# Altium PCB EEG_Master_Rev2.PcbDoc
Units mm, origin at the board's own origin, x right, y up, seen from the top; angles counter-clockwise.
Board outline 57 x 37 mm, 2 copper layers (Top Layer, Bottom Layer); 42 components, 56 nets, 197 pads, 39 vias.
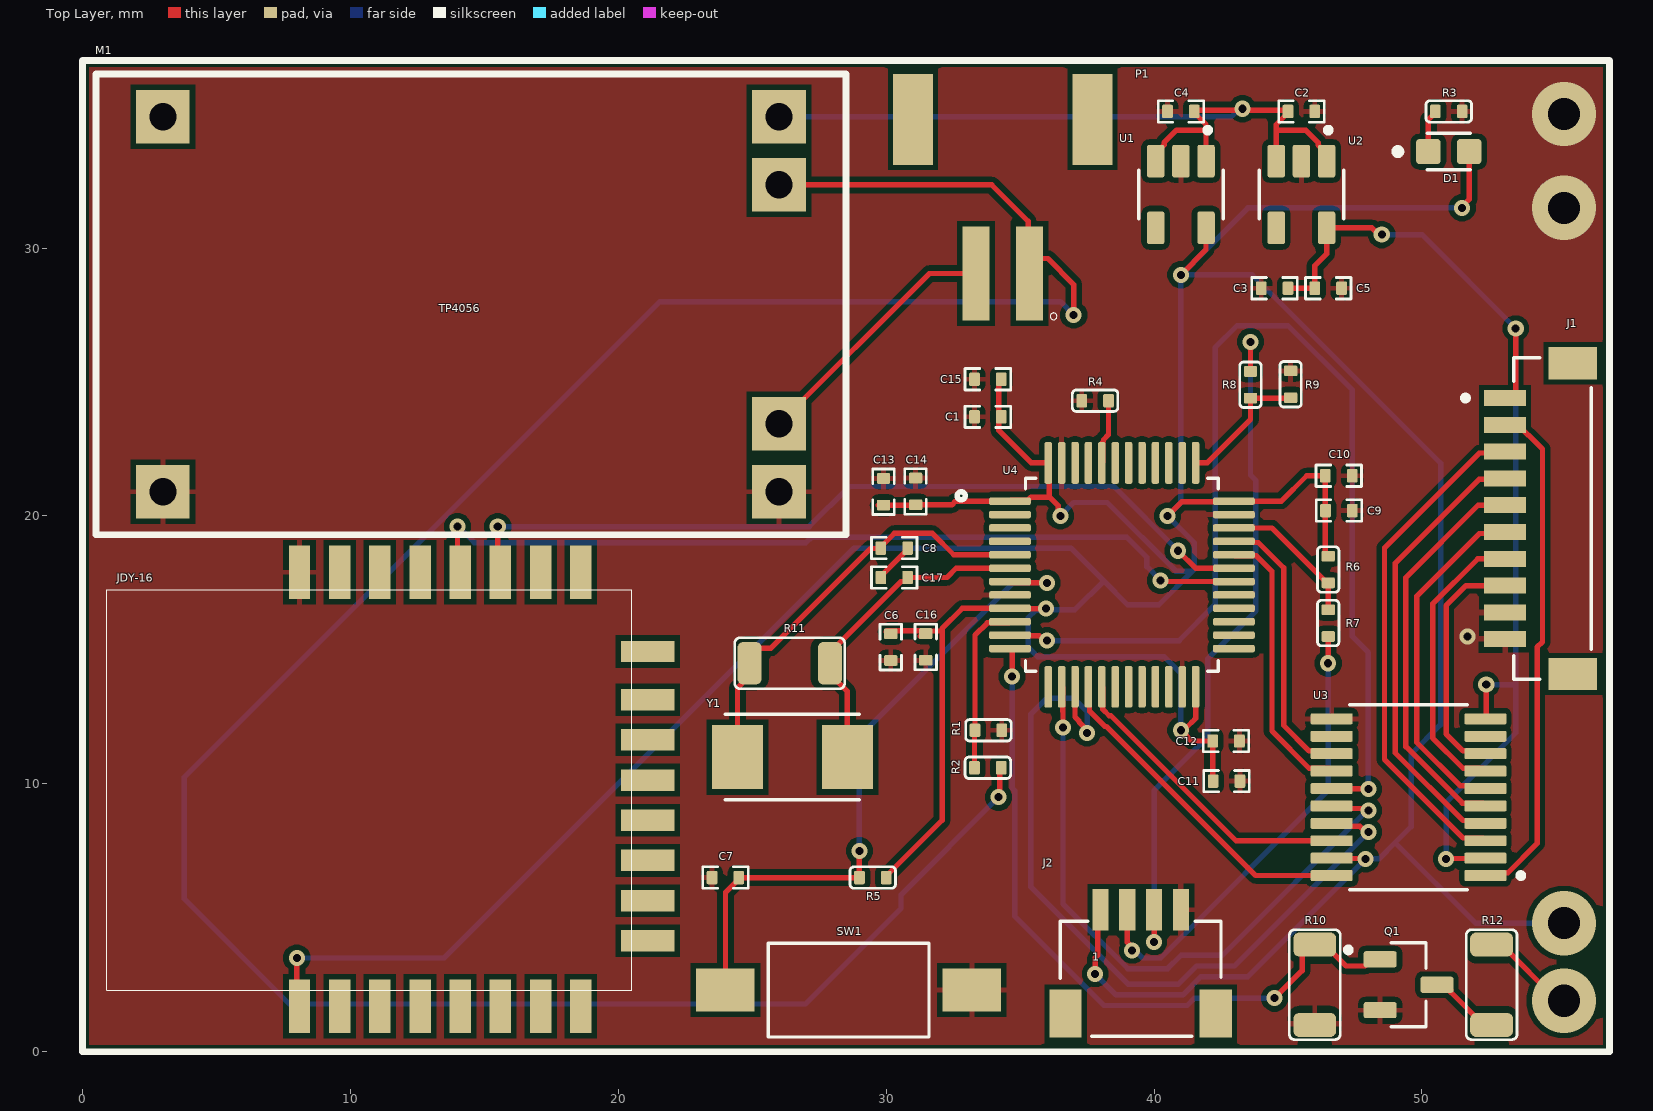
[diagram p0: Top Layer view]
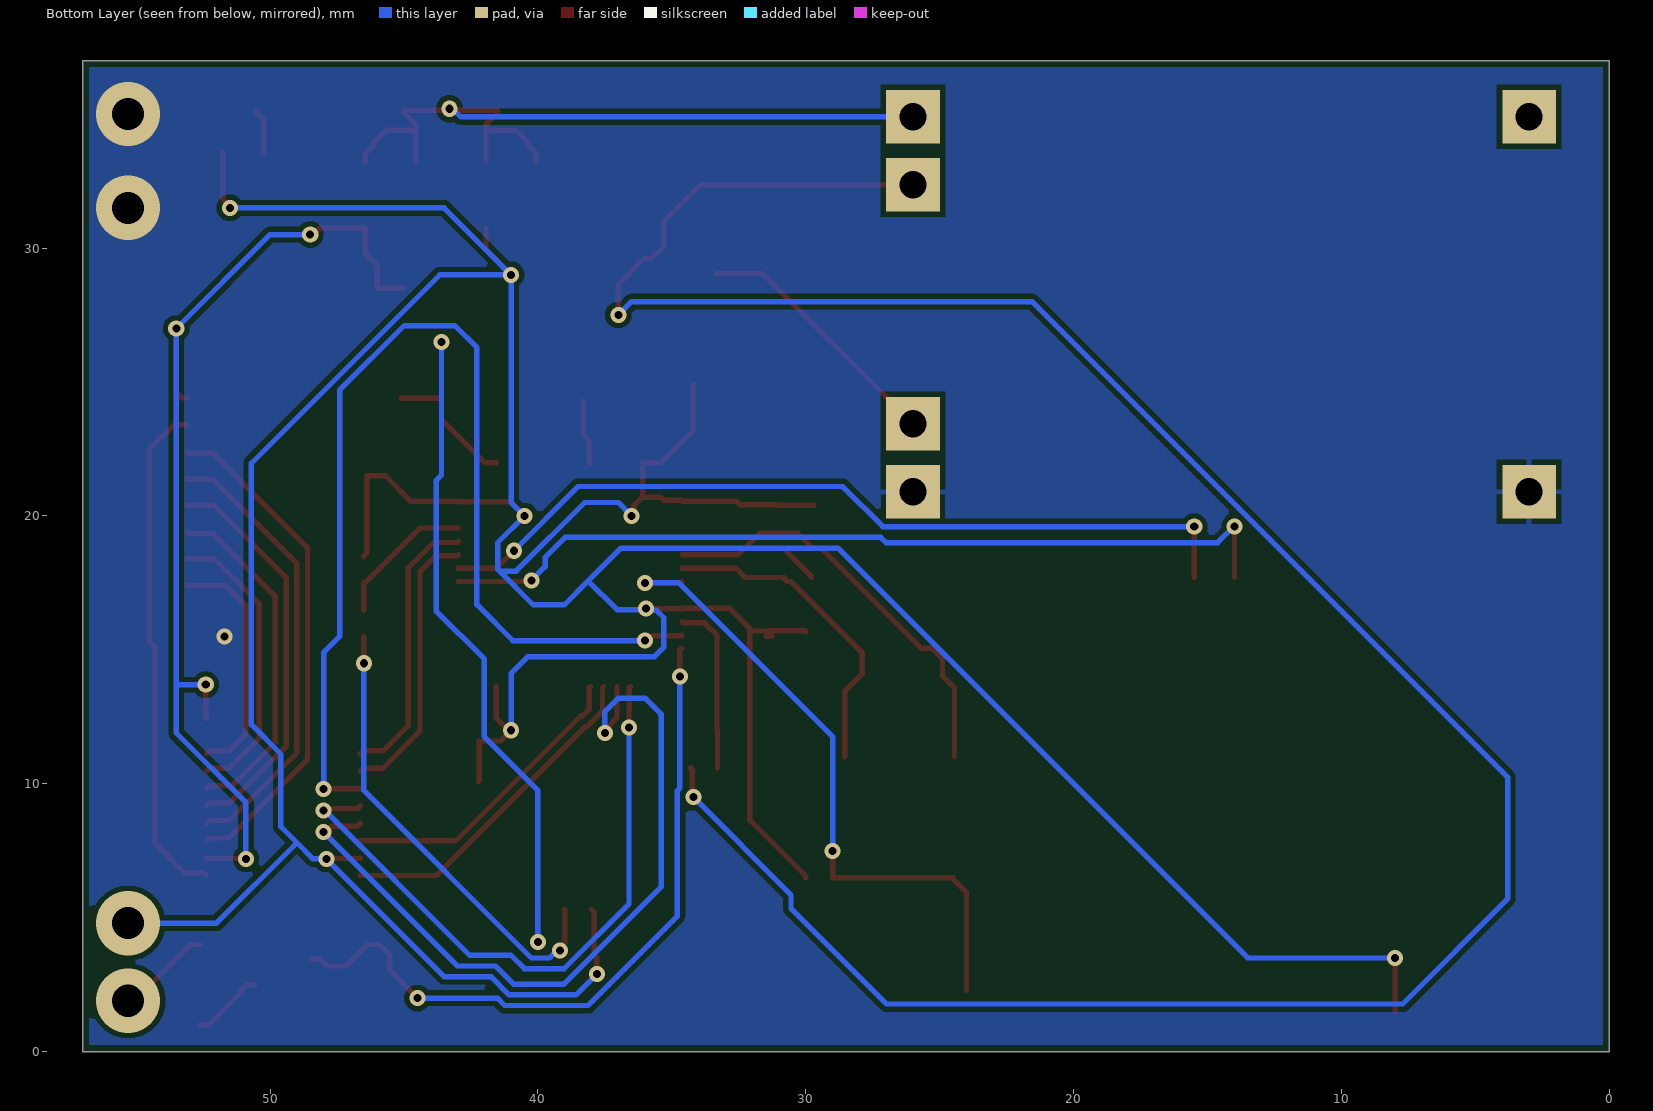
[diagram p1: Bottom Layer view, seen from below]
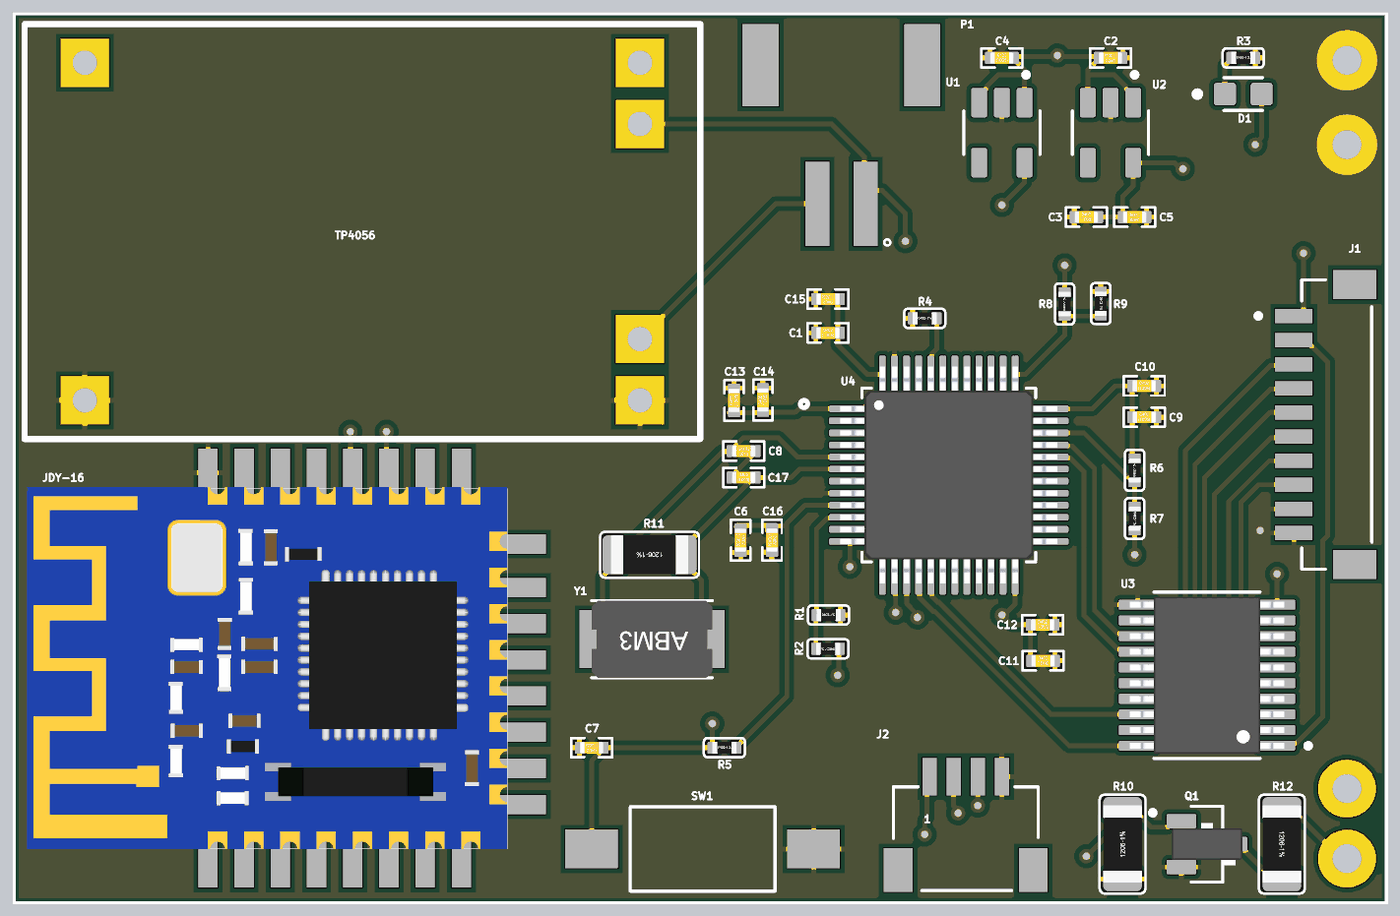
[diagram p2: 3D render of the assembled board from above, using the file's embedded part models]

## Layer stack, top to bottom
Top Solder: solder mask 0.0102, Solder Resist, Dk 3.5
Top Layer: signal copper 0.0356
Dielectric 1: dielectric 0.32, FR-4, Dk 4.8
Bottom Layer: signal copper 0.0356
Bottom Solder: solder mask 0.0102, Solder Resist, Dk 3.5

## Board outline
0,0 0,37 57,37 57,0

## Design rules (kind name [scope] priority, off if disabled: settings)
AcuteAngle [All] p1: minimum=3.50000000000000E+0001 checktracksonly=FALSE
BoardOutlineClearance "BoardOutlineClearance 1" [All] p1: gap=0.25 ignorepadtopadclearanceinfootprint=FALSE except(0: Arc-SplitContinuation Track-SplitContinuation SMDPad-SplitContinuation THPad-SplitContinuation Via-SplitContinuation Fill-SplitContinuation Poly-SplitContinuation Region-SplitContinuation Text-SplitContinuation) // Milling
BoardOutlineClearance "BoardOutlineClearance 2" [All] p2: gap=0.4 ignorepadtopadclearanceinfootprint=FALSE except(0: Arc-SplitContinuation Track-SplitContinuation SMDPad-SplitContinuation THPad-SplitContinuation Via-SplitContinuation Fill-SplitContinuation Poly-SplitContinuation Region-SplitContinuation Text-SplitContinuation) // V-Cut
Clearance "Clearance-1 1 Oz" [All] p1: gap=0.2 ignorepadtopadclearanceinfootprint=FALSE except(0.25: Arc-Hole Track-Hole SMDPad-Hole THPad-Hole Via-Hole Fill-Hole Poly-Hole Region-Hole Text-Hole) // Standart
Clearance "Clearance 3 Oz" [All] p2: gap=0.35 ignorepadtopadclearanceinfootprint=FALSE except(0.25: Arc-Hole Track-Hole SMDPad-Hole THPad-Hole Via-Hole Fill-Hole Poly-Hole Region-Hole Text-Hole)
Clearance "Clearance 2 Oz" [All] p3: gap=0.3 ignorepadtopadclearanceinfootprint=FALSE except(0.25: Arc-Hole Track-Hole SMDPad-Hole THPad-Hole Via-Hole Fill-Hole Poly-Hole Region-Hole Text-Hole)
Clearance "Clearance-2 1 Oz" [All] p4: gap=0.15 ignorepadtopadclearanceinfootprint=FALSE except(0.2: Arc-Fill Arc-Poly Track-Fill Track-Poly SMDPad-Fill SMDPad-Poly THPad-Fill THPad-Poly Via-Fill Via-Poly Fill-Fill Fill-Poly Poly-Poly; 0.25: Arc-Hole Track-Hole SMDPad-Hole THPad-Hole Via-Hole Fill-Hole Poly-Hole Region-Hole Text-Hole) // Advance
Clearance "Clearance-1 1/2 Oz" [All] p5: gap=0.125 ignorepadtopadclearanceinfootprint=FALSE except(0.2: Arc-Fill Arc-Poly Track-Fill Track-Poly SMDPad-SMDPad SMDPad-Fill SMDPad-Poly THPad-Fill THPad-Poly Via-Fill Via-Poly Fill-Fill Fill-Poly Poly-Poly Poly-Region Poly-Text; 0.25: Arc-Hole Track-Hole SMDPad-Hole THPad-Hole Via-Hole Fill-Hole Poly-Hole Region-Hole Text-Hole) // Standart
Clearance "Clearance-2 1/2 Oz" [All] p6: gap=0.1 ignorepadtopadclearanceinfootprint=FALSE except(0.15: Arc-Fill Arc-Poly Track-Fill Track-Poly SMDPad-SMDPad SMDPad-Fill SMDPad-Poly THPad-Fill THPad-Poly Via-Fill Via-Poly Fill-Fill Fill-Poly Poly-Poly Poly-Region Poly-Text; 0.25: Arc-Hole Track-Hole SMDPad-Hole THPad-Hole Via-Hole Fill-Hole Poly-Hole Region-Hole Text-Hole) // Advance
DiffPairsRouting "DiffPairsRouting 1 Oz" [All] p1: maxlimit=0.254 minlimit=0.2 mostfreqgap=0.254 toplayer_minwidth=0.2 toplayer_maxwidth=0.381 toplayer_prefwidth=0.381 bottomlayer_minwidth=0.2 bottomlayer_maxwidth=0.381 bottomlayer_prefwidth=0.381 maxuncoupledlength=12.7
DiffPairsRouting "DiffPairsRouting 1/2 Oz" [All] p2: maxlimit=0.254 minlimit=0.1 mostfreqgap=0.254 toplayer_minwidth=0.1 toplayer_maxwidth=0.381 toplayer_prefwidth=0.381 bottomlayer_minwidth=0.1 bottomlayer_maxwidth=0.381 bottomlayer_prefwidth=0.381 maxuncoupledlength=12.7
HoleSize "Minimum HoleSize" [IsPad] p1: absolutevalues=TRUE maxlimit=5.9 minlimit=0.6 maxpercent=80.000 minpercent=20.000
HoleSize "Minimum HoleSize VIA 1" [IsVia] p2: absolutevalues=TRUE maxlimit=5.9 minlimit=0.3 maxpercent=80.000 minpercent=20.000 // Standart
HoleSize "Minimum HoleSize VIA 2" [IsVia] p3: absolutevalues=TRUE maxlimit=5.9 minlimit=0.2 maxpercent=80.000 minpercent=20.000 // Advance
HoleToHoleClearance Hole2HoleClearance [All] p1: gap=0.25 allowstackedmicrovias=FALSE
MinimumAnnularRing "Minimum AR VIA Standart" [IsVia] p1: minimumring=0.15
MinimumAnnularRing "Minimum AR PAD Standart" [IsPAD] p2: minimumring=0.2
MinimumAnnularRing "Minimum AR VIA Advance" [IsVia] p3: minimumring=0.1
MinimumAnnularRing "Minimum AR PAD Advance" [IsPAD] p4: minimumring=0.15
MinimumSolderMaskSliver "SolderMask Bridge Standart" [All] p1: minsoldermaskwidth=0.15 // All Masks
MinimumSolderMaskSliver "SolderMask Bridge Advance" [All] p2: minsoldermaskwidth=0.1 // Mask LDI
PlaneClearance "PlaneClearance 1 Oz" [All] p1: clearance=0.2
PlaneClearance "PlaneClearance 3 Oz" [All] p2: clearance=0.35
PlaneClearance "PlaneClearance 2 Oz" [All] p3: clearance=0.3
PlaneClearance "PlaneClearance-1 1/2 Oz" [All] p4: clearance=0.2 // Standart
PlaneClearance "PlaneClearance-2 1/2 Oz" [All] p5: clearance=0.15 // Advance
PlaneConnect "TermalConnect-1 1 Oz" [All] p1: planeconnectstyle=Relief reliefexpansion=0.2 reliefentries=4 reliefconductorwidth=0.2 reliefairgap=0.2 // Standart
PlaneConnect "TermalConnect 3 Oz" [All] p2: planeconnectstyle=Relief reliefexpansion=0.2 reliefentries=4 reliefconductorwidth=0.35 reliefairgap=0.35 // Standart
PlaneConnect "TermalConnect 2 Oz" [All] p3: planeconnectstyle=Relief reliefexpansion=0.2 reliefentries=4 reliefconductorwidth=0.3 reliefairgap=0.3 // Standart
PlaneConnect "TermalConnect-2 1 Oz" [All] p4: pad.planeconnectstyle=Relief pad.reliefexpansion=0.15 pad.reliefentries=4 pad.reliefconductorwidth=0.2 pad.reliefairgap=0.2 via.planeconnectstyle=Direct via.reliefexpansion=0.15 via.reliefentries=4 via.reliefconductorwidth=0.15 via.reliefairgap=0.15 // Advance
PlaneConnect "TermalConnect-1 1/2 Oz" [All] p5: planeconnectstyle=Relief reliefexpansion=0.2 reliefentries=4 reliefconductorwidth=0.2 reliefairgap=0.2 // Standart
PlaneConnect "TermalConnect-2 1/2 Oz" [All] p6: pad.planeconnectstyle=Relief pad.reliefexpansion=0.15 pad.reliefentries=4 pad.reliefconductorwidth=0.15 pad.reliefairgap=0.15 via.planeconnectstyle=Direct via.reliefexpansion=0.15 via.reliefentries=4 via.reliefconductorwidth=0.15 via.reliefairgap=0.15 // Advance
PolygonConnect "PolygonConnect-1 1 Oz" [All] p1: thpad.connectstyle=Relief thpad.reliefconductorwidth=0.2 thpad.reliefentries=4 thpad.polygonreliefangle="90 Angle" thpad.airgapwidth=0.2 smdpad.connectstyle=Relief smdpad.reliefconductorwidth=0.2 smdpad.reliefentries=4 smdpad.polygonreliefangle="90 Angle" smdpad.airgapwidth=0.2 via.connectstyle=Direct via.reliefconductorwidth=0.2 via.reliefentries=4 via.polygonreliefangle="90 Angle" via.airgapwidth=0.2 // Standart
PolygonConnect "PolygonConnect 3 Oz" [All] p2: thpad.connectstyle=Relief thpad.reliefconductorwidth=0.35 thpad.reliefentries=4 thpad.polygonreliefangle="90 Angle" thpad.airgapwidth=0.35 smdpad.connectstyle=Relief smdpad.reliefconductorwidth=0.35 smdpad.reliefentries=4 smdpad.polygonreliefangle="90 Angle" smdpad.airgapwidth=0.35 via.connectstyle=Direct via.reliefconductorwidth=0.254 via.reliefentries=4 via.polygonreliefangle="90 Angle" via.airgapwidth=0.254
PolygonConnect "PolygonConnect 2 Oz" [All] p3: thpad.connectstyle=Relief thpad.reliefconductorwidth=0.3 thpad.reliefentries=4 thpad.polygonreliefangle="90 Angle" thpad.airgapwidth=0.3 smdpad.connectstyle=Relief smdpad.reliefconductorwidth=0.3 smdpad.reliefentries=4 smdpad.polygonreliefangle="90 Angle" smdpad.airgapwidth=0.3 via.connectstyle=Direct via.reliefconductorwidth=0.254 via.reliefentries=4 via.polygonreliefangle="90 Angle" via.airgapwidth=0.254
PolygonConnect "PolygonConnect-2 1 Oz" [All] p4: thpad.connectstyle=Relief thpad.reliefconductorwidth=0.15 thpad.reliefentries=4 thpad.polygonreliefangle="90 Angle" thpad.airgapwidth=0.15 smdpad.connectstyle=Relief smdpad.reliefconductorwidth=0.15 smdpad.reliefentries=4 smdpad.polygonreliefangle="90 Angle" smdpad.airgapwidth=0.15 via.connectstyle=Direct via.reliefconductorwidth=0.254 via.reliefentries=4 via.polygonreliefangle="90 Angle" via.airgapwidth=0.254 // Advance
PolygonConnect "PolygonConnect-1 1/2 Oz" [All] p5: thpad.connectstyle=Relief thpad.reliefconductorwidth=0.15 thpad.reliefentries=4 thpad.polygonreliefangle="90 Angle" thpad.airgapwidth=0.2 smdpad.connectstyle=Relief smdpad.reliefconductorwidth=0.2 smdpad.reliefentries=4 smdpad.polygonreliefangle="90 Angle" smdpad.airgapwidth=0.2 via.connectstyle=Direct via.reliefconductorwidth=0.254 via.reliefentries=4 via.polygonreliefangle="90 Angle" via.airgapwidth=0.254 // Standart
PolygonConnect "PolygonConnect-2 1/2 Oz" [All] p6: thpad.connectstyle=Relief thpad.reliefconductorwidth=0.125 thpad.reliefentries=4 thpad.polygonreliefangle="90 Angle" thpad.airgapwidth=0.15 smdpad.connectstyle=Relief smdpad.reliefconductorwidth=0.125 smdpad.reliefentries=4 smdpad.polygonreliefangle="90 Angle" smdpad.airgapwidth=0.15 via.connectstyle=Direct via.reliefconductorwidth=0.254 via.reliefentries=4 via.polygonreliefangle="90 Angle" via.airgapwidth=0.254 // Advance
RoutingCorners [All] p1 off: cornerstyle=45-Degree minsetback=2.54 maxsetback=2.54
RoutingVias [All] p1: holewidth=0.3 width=0.6 viastyle="Through Hole" minholewidth=0.2 minwidth=0.4 maxholewidth=5.9 maxwidth=6.4
SilkToSilkClearance Silk2SilkClearance [All] p1 off: silktosilkclearance=0.15
SilkToSolderMaskClearance Silk2SolderMaskClearance [IsPad] p1 off: minsilkscreentomaskgap=0.15 clearancetoexposedcopper=TRUE
SolderMaskExpansion SolderMaskExpansion-1 [All] p1: expansion=0.05 istentingtop=FALSE // Standart
SolderMaskExpansion "SolderMaskExpansion LDI" [All] p2: expansion=0.025 istentingtop=FALSE // Advance
UnRoutedNet [All] p1: checkbadconnections=TRUE
Width "Width 1 Oz" [All] p1: maxlimit=10 minlimit=0.15 preferedwidth=0.2 checkconnectedcopper=TRUE
Width "Width 3 Oz" [All] p2: maxlimit=10 minlimit=0.35 preferedwidth=0.4 checkconnectedcopper=TRUE
Width "Width 2 Oz" [All] p3: maxlimit=10 minlimit=0.3 preferedwidth=0.35 minimp=50.000000 maximp=50.000000 favimp=50.000000 checkconnectedcopper=TRUE
Width "Width 1/2 Oz" [All] p4: maxlimit=10 minlimit=0.1 preferedwidth=0.125 checkconnectedcopper=TRUE
20 further rules are at their usual default settings.

## Classes and differential pairs
component class U_STM32: C5 C6 C7 C8 C9 C10 C11 C12 C13 C14 C15 C16 C17 D1 JDY-16 Q1 R3 R4 R5 R6 R7 R8 R9 R10 R11 R12 SW1 U3 U4 Y1
component class U_Power: C1 C2 C3 C4 P1 R1 R2 U1 U2
component class U_Connectors: J1 J2

## Components (designator, comment, footprint, x,y, rotation, side; value= is the part's Value field where it differs from the comment)
C1 "1uF" "C 0402(1005)x0.5" 33.795,23.7 r0 top
C2 "1uF" "C 0402(1005)x0.5" 45.5,35.1 r180 top
C3 "1uF" "C 0402(1005)x0.5" 44.5,28.5 r0 top
C4 "1uF" "C 0402(1005)x0.5" 41,35.1 r0 top
C5 "7pF" "C 0402(1005)x0.5" 46.5,28.5 r180 top
C6 "6pF" "C 0402(1005)x0.5" 30.172,15.102 r270 top
C7 "1uF" "C 0402(1005)x0.5" 24,6.5 r180 top
C8 "20pF" "C 0402(1005)x0.5" 30.3,18.8 r180 top
C9 "0.1uF" "C 0402(1005)x0.5" 46.9,20.2 r0 top
C10 "1uF" "C 0402(1005)x0.5" 46.895,21.5 r0 top
C11 "0.1uF" "C 0402(1005)x0.5" 42.705,10.1 r0 top
C12 "1uF" "C 0402(1005)x0.5" 42.685,11.598 r0 top
C13 "0.1uF" "C 0402(1005)x0.5" 29.9,20.9 r90 top
C14 "1uF" "C 0402(1005)x0.5" 31.098,20.915 r90 top
C15 "0.1uF" "C 0402(1005)x0.5" 33.795,25.1 r180 top
C16 "1uF" "C 0402(1005)x0.5" 31.475,15.108 r270 top
C17 "20pF" "C 0402(1005)x0.5" 30.3,17.7 r0 top
D1 "0603" LEDC1608X65N 51,33.6 r0 top
J1 "BM10B-SRSS-TB(LF)(SN)" JST_BM10B-SRSS-TB(LF)(SN) 55.625,19.9 r270 top
J2 "665104131822" 665104131822 39.5,5.3 r0 top
JDY-16 "JDY-16" JDY-16 20.5,17.24 r180 top
M1 "TP4056Module" TP4056Module 0.5,19.3 r0 top
P1 "S2B-PH-SM4-TB" JST_S2B-PH-SM4-TB 34.35,29.05 r0 top
Q1 "BSS138" SOT95P240X111-3N 49.5,2.5 r0 top
R1 "100KOm" "R 0402(1005)-1%" 33.815,11.998 r0 top
R2 "33KOm" "R 0402(1005)-1%" 33.795,10.6 r180 top
R3 "2KOm" "R 0402(1005)-1%" 51,35.1 r0 top
R4 "100KOm" "R 0402(1005)-1%" 37.8,24.3 r0 top
R5 "10KOm" "R 0402(1005)-1%" 29.5,6.5 r0 top
R6 "10KOm" "R 0402(1005)-1%" 46.5,18 r90 top
R7 "20Om" "R 0402(1005)-1%" 46.5,16 r270 top
R8 "20Om" "R 0402(1005)-1%" 43.6,24.895 r90 top
R9 "10KOm" "R 0402(1005)-1%" 45.098,24.915 r270 top
R10 "?" "R 1206(3216)-1%" 46,2.5 r90 top
R11 "1MOm" "R 1206(3216)-1%" 26.4,14.5 r180 top
R12 "?" "R 1206(3216)-1%" 52.6,2.5 r270 top
SW1 "Button" SW_1437566-3 28.6,2.3 r180 top
U1 "RT9013-33GB" SOT94P279X129-5N 41,32 r270 top
U2 "RT9013-18GB" SOT94P279X129-5N 45.5,32 r270 top
U3 "TXS0108EPWR" SOP65P640X120-20N 49.5,9.5 r180 top
U4 "STM32F103C8T6" QFP50P900X900X160-48N 38.8,17.8 r0 top
Y1 "ABM3-8.000MHZ" XTAL_ABM3-8.000MHZ-D2Y 26.5,11 r180 top

## Footprints (in the part's own frame and the unit in brackets; to place one, negate y for a bottom-side part, rotate by r counter-clockwise, add the part's x,y. Pads: shape width x height; smd on the part's side, far side on the other; paste and mask are expansions set on the pad)
665104131822 [mm]
  rect 0.6x1.55 smd: 1(-1.5,0) 2(-0.5,0) 3(0.5,0) 4(1.5,0)
  rect 1.2x1.8 smd: Z1(-2.8,-3.875) Z2(2.8,-3.875)
  silkscreen extent -3,-4.72 3,-0.43
"C 0402(1005)x0.5" [mm]
  rrect25% 0.4x0.5 smd mask+0.102: 1(-0.5,0) 2(0.5,0)
  silkscreen extent -0.85,-0.4 0.85,0.4, body extent -0.5,-0.25 0.5,0.25, height 0.51
JDY-16 [mm] "JDY16"
  rect 0.8x2 smd: 1(12.4,15.54) 2(10.9,15.54) 3(9.4,15.54) 4(7.9,15.54) 5(6.4,15.54) 6(4.9,15.54) 7(3.4,15.54) 8(1.9,15.54) 17(1.9,-0.66) 18(3.4,-0.66) 19(4.9,-0.66) 20(6.4,-0.66) 21(7.9,-0.66) 22(9.4,-0.66) 23(10.9,-0.66) 24(12.4,-0.66)
  rect 2x0.8 smd: 9(-0.6,13.1) 10(-0.6,11.6) 11(-0.6,10.1) 12(-0.6,8.6) 13(-0.6,7.1) 14(-0.6,5.6) 15(-0.6,4.1) 16(-0.6,2.3)
  silkscreen extent 0,0 19.6,14.94, body extent 0,-0.07 19.89,14.94, height 2.08
JST_BM10B-SRSS-TB(LF)(SN) [mm]
  rect 0.6x1.55 smd: 1(-4.5,-2.525) 2(-3.5,-2.525) 3(-2.5,-2.525) 4(-1.5,-2.525) 5(-0.5,-2.525) 6(0.5,-2.525) 7(1.5,-2.525) 8(2.5,-2.525) 9(3.5,-2.525) 10(4.5,-2.525)
  rect 1.2x1.8 smd: S1(-5.8,0) S2(5.8,0)
  silkscreen extent -6,-4.1 6,0.7
JST_S2B-PH-SM4-TB [mm]
  rect 1x3.5 smd: 1(1,0) 2(-1,0)
  rect 1.5x3.4 smd: P1(3.35,5.75) P2(-3.35,5.75)
  silkscreen extent 1.77,-1.73 2.03,-1.47
LEDC1608X65N [mm]
  rrect25% 0.91x0.93 smd: A(0.76,0) C(-0.76,0)
  silkscreen extent -2.02,-0.68 0.8,0.68
QFP50P900X900X160-48N [mm]
  rrect50% 1.56x0.28 smd: 1(-4.18,2.75) 2(-4.18,2.25) 3(-4.18,1.75) 4(-4.18,1.25) 5(-4.18,0.75) 6(-4.18,0.25) 7(-4.18,-0.25) 8(-4.18,-0.75) 9(-4.18,-1.25) 10(-4.18,-1.75) 11(-4.18,-2.25) 12(-4.18,-2.75) 25(4.18,-2.75) 26(4.18,-2.25) 27(4.18,-1.75) 28(4.18,-1.25) 29(4.18,-0.75) 30(4.18,-0.25) 31(4.18,0.25) 32(4.18,0.75) 33(4.18,1.25) 34(4.18,1.75) 35(4.18,2.25) 36(4.18,2.75)
  rrect50% 0.28x1.56 smd: 13(-2.75,-4.18) 14(-2.25,-4.18) 15(-1.75,-4.18) 16(-1.25,-4.18) 17(-0.75,-4.18) 18(-0.25,-4.18) 19(0.25,-4.18) 20(0.75,-4.18) 21(1.25,-4.18) 22(1.75,-4.18) 23(2.25,-4.18) 24(2.75,-4.18) 37(2.75,4.18) 38(2.25,4.18) 39(1.75,4.18) 40(1.25,4.18) 41(0.75,4.18) 42(0.25,4.18) 43(-0.25,4.18) 44(-0.75,4.18) 45(-1.25,4.18) 46(-1.75,4.18) 47(-2.25,4.18) 48(-2.75,4.18)
  silkscreen extent -6.15,-3.6 3.6,3.6, body extent -4.5,-4.5 4.5,4.5, height 1.6
"R 0402(1005)-1%" [mm]
  rrect25% 0.4x0.5 smd mask+0.102: 1(-0.5,0) 2(0.5,0)
  silkscreen extent -0.85,-0.4 0.85,0.4, body extent -0.5,-0.25 0.5,0.25, height 0.19
"R 1206(3216)-1%" [mm]
  rrect50% 0.9x1.6 smd mask+0.102: 1(-1.5,0) 2(1.5,0)
  silkscreen extent -2.05,-0.95 2.05,0.95, body extent -1.6,-0.8 1.6,0.8, height 0.6
SOP65P640X120-20N [mm]
  rrect25% 1.57x0.41 smd: 1(-2.87,2.925) 2(-2.87,2.275) 3(-2.87,1.625) 4(-2.87,0.975) 5(-2.87,0.325) 6(-2.87,-0.325) 7(-2.87,-0.975) 8(-2.87,-1.625) 9(-2.87,-2.275) 10(-2.87,-2.925) 11(2.87,-2.925) 12(2.87,-2.275) 13(2.87,-1.625) 14(2.87,-0.975) 15(2.87,-0.325) 16(2.87,0.325) 17(2.87,0.975) 18(2.87,1.625) 19(2.87,2.275) 20(2.87,2.925)
  silkscreen extent -4.29,-3.45 2.2,3.45, body extent -3.2,-3.25 3.2,3.25, height 1.2
SOT94P279X129-5N [mm]
  rrect25% 1.22x0.65 smd: 1(-1.245,0.94) 2(-1.245,0) 3(-1.245,-0.94) 4(1.245,-0.94) 5(1.245,0.94)
  silkscreen extent -2.5,-1.58 0.9,1.58
SOT95P240X111-3N [mm]
  rrect25% 1.23x0.6 smd: 1(-1.06,0.95) 2(-1.06,-0.95) 3(1.06,0)
  silkscreen extent -2.35,-1.57 0.65,1.57, body extent -1.46,-1.2 1.46,1.2, height 0.65
SW_1437566-3 [mm]
  rect 2.18x1.6 smd: 1(-4.6,0) 2(4.6,0)
  silkscreen extent -3,-1.75 3,1.75, body extent -5.84,-2.02 5.84,2.03
TP4056Module [mm]
  rect 2x2 hole 1.016: 1(2.5,15.6) 2(2.5,1.6) 3(25.5,15.6) 4(25.5,13.06) 5(25.5,4.14) 6(25.5,1.6)
  silkscreen extent 0,0 28,17.2
XTAL_ABM3-8.000MHZ-D2Y [mm]
  rect 1.9x2.4 smd: 1(-2.05,0) 2(2.05,0)
  silkscreen extent -2.5,-1.6 2.5,1.6, body extent -2.5,-1.6 2.5,1.6, height 1.3

## Part data
C1 C2 C3 C4 C5 C6 C7 C8 C9 C10 C11 C12 C13 C14 C15 C16 C17: library part "C 0402    16V X5R - 0*", "SMD 0402     16V X5R 10%", Manufacturer=Samsung, Package=0402, Package-mm=1005, TempCo=X5R, Temperature Range="-55°C ~ +85°C", Tolerance %=±20%, ComponentLink1Description="Datasheet Link", ComponentLink1URL=https://store.comet.bg/download-file.php?id=11, Mount Type=SMT, Published=07.04.2019, Publisher=Hefest, RoHS=Y, Supplier 1=Comet, Technology="Ceramic  MLCC", TYPE=Capacitors, VDC=16V
D1: library part LTW-C191TLA, "CHIP LED WHITE 0603 TOP VIEW", Package=None, Availability=Unavailable, MP=LTW-C191TLA, Price=None
J1: "Connector Header Surface Mount 10 position 0.039 (1.00mm)", Package=None, Availability="In Stock", Check_prices=https://www.snapeda.com/parts/BM10B-SRSS-TB(LF)(SN)/JST+Sales+America+Inc./view-part/?ref=eda, MF="JST Sales", MP=BM10B-SRSS-TB(LF)(SN), Price=None, SnapEDA_Link=https://www.snapeda.com/parts/BM10B-SRSS-TB(LF)(SN)/JST+Sales+America+Inc./view-part/?ref=snap
J2: "Connector Header Surface Mount, Right Angle 4 position 0.039 (1.00mm)", Package=None, Availability=Unavailable, MF="Wurth Electronics", MP=665104131822, Price=None, SnapEDA_Link=https://www.snapeda.com/parts/665104131822/Wurth%20Electronics%20Inc./view-part/2395929/?ref=snap
M1: "TP4056 Module for managing battery charging"
P1: "Connector Header Surface Mount, Right Angle 2 position 0.079 (2.00mm)", Package=None, Availability="In Stock", Check_prices=https://www.snapeda.com/parts/S2B-PH-SM4-TB/JST+Sales+America+Inc./view-part/?ref=eda, MF="JST Sales", MP=S2B-PH-SM4-TB, Price=None, Purchase-URL=https://pricing.snapeda.com/search/part/S2B-PH-SM4-TB/?ref=eda, SnapEDA_Link=https://www.snapeda.com/parts/S2B-PH-SM4-TB/JST+Sales+America+Inc./view-part/?ref=snap
Q1: "N-Channel 50 V 220mA (Ta) 350mW (Ta) Surface Mount SOT-23-3", Package="SOT-23-3 Motorola", Check_prices=https://www.snapeda.com/parts/BSS138/Onsemi/view-part/?ref=eda, MF=onsemi, MP=BSS138, SnapEDA_Link=https://www.snapeda.com/parts/BSS138/Onsemi/view-part/?ref=snap
R1 R2 R3 R4 R5 R6 R7 R8 R9: library part "R 0402-1%", "SMD 0402 0.063W 1%   50V", Manufacturer=YAGEO, Package=0402, Package-mm=1005, Power=0.0625W, Supplier Part Number 1="R0402 1.0K 1% YAG/ASJ", TempCo=±100ppm/°C, Temperature Range="-55°C ~ +155°C", Tolerance %=±1%, Value Code=1001, ComponentLink1Description="Datasheet Link", ComponentLink1URL=https://store.comet.bg/download-file.php?id=1224, Mount Type=SMT, Price=0.015, Published=07.04.2019, Publisher=Hefest, RoHS=Y, Supplier 1=Comet, Technology="Thick film", TYPE=Resistor, VDC=50V
R10 R11 R12: library part "R 1206-1%", "SMD 1206 0.25W   1% 200V", Manufacturer=YAGEO, Package=1206, Package-mm=3216, Power=0.25W, Supplier Part Number 1="R1206 1.0K 1% YAG/ASJ", TempCo=±100ppm/°C, Temperature Range="-55°C ~ +155°C", Tolerance %=±1%, Value Code=1001, ComponentLink1Description="Datasheet Link", ComponentLink1URL=https://store.comet.bg/download-file.php?id=1224, Mount Type=SMT, Price=0.069, Published=07.04.2019, Publisher=Hefest, RoHS=Y, Supplier 1=Comet, Technology="Thick film", TYPE=Resistor, VDC=200V
SW1: library part 1437566-3, "Switch Tactile OFF (ON) SPST Rectangular Button Gull Wing 0.05A 12VDC SMD Loose Piece", Package=None, Availability=Unavailable, MP=1437566-3, Price=None
U1: "Linear Voltage Regulator IC 1 Output 500mA SOT-23-5", Package="SOT-23-5 Richtek", Availability=Unavailable, MF="Richtek USA", MP=RT9013-33GB, Price=None, SnapEDA_Link=https://www.snapeda.com/parts/RT9013-33GB/Richtek%20USA%20Inc./view-part/553199/?ref=snap
U2: library part RT9013-33GB, "Linear Voltage Regulator IC 1 Output 500mA SOT-23-5", Package="SOT-23-5 Richtek", Availability=Unavailable, MF="Richtek USA", MP=RT9013-33GB, Price=None, SnapEDA_Link=https://www.snapeda.com/parts/RT9013-33GB/Richtek%20USA%20Inc./view-part/553199/?ref=snap
U3: "8-bit bidirectional voltage-level shifter for open-drain and push-pull application", Package="TSSOP-20 Texas Instruments", Availability="In Stock", Check_prices=https://www.snapeda.com/parts/TXS0108EPWR/Texas+Instruments/view-part/?ref=eda, MF="Texas Instruments", MP=TXS0108EPWR, Price=None, Purchase-URL=https://pricing.snapeda.com/search/part/TXS0108EPWR/?ref=eda, SnapEDA_Link=https://www.snapeda.com/parts/TXS0108EPWR/Texas+Instruments/view-part/?ref=snap
U4: "ARM® Cortex®-M3 STM32F1 Microcontroller IC 32-Bit 72MHz 64KB (64K x 8) FLASH 48-LQFP (7x7)", Package="LQFP-48 STMicroelectronics", Check_prices=https://www.snapeda.com/parts/STM32F103C8T6/STMicroelectronics/view-part/?ref=eda, MF=STMicroelectronics, MP=STM32F103C8T6, SnapEDA_Link=https://www.snapeda.com/parts/STM32F103C8T6/STMicroelectronics/view-part/?ref=snap
Y1: library part ABM3-8.000MHZ-D2Y, "8 MHz Â±20ppm Crystal 18pF 140 Ohms 2-SMD, No Lead", Package="SMD-2 Abracon", Availability="In Stock", Check_prices=https://www.snapeda.com/parts/ABM3-8.000MHZ-D2Y/Abracon/view-part/?ref=eda, MF=Abracon, MP=ABM3-8.000MHZ-D2Y, Price=None, Purchase-URL=https://pricing.snapeda.com/search/part/ABM3-8.000MHZ-D2Y/?ref=eda, SnapEDA_Link=https://www.snapeda.com/parts/ABM3-8.000MHZ-D2Y/Abracon/view-part/?ref=snap

## Via types
v1: diameter 0.6, hole 0.3, Top Layer to Bottom Layer, tented both sides, 35 vias
v2: diameter 2.4, hole 1.2, Top Layer to Bottom Layer, 4 vias

## Nets (pads, with @x,y where several pads share a name; then routed paths per layer and width w, separated by ;. In a path a pad name is that pad's centre, name@x,y a point inside that pad or via, vN(x,y) a via of type N, cw(c..) or ccw(c..) an arc to the next point about the centre after c; other vN are vias at no path point)
+1.8: C3.2 C5.2 J1.1 U2.5 U3.2 U3.10 | length 39.7
  Top Layer w0.2: C3.2 C5.2 46,29.34 46.44,29.78 U2.5 48.137,30.755 48.392,30.5 v1(48.5,30.5) ; v1(50.9,7.2) 50.912,7.213 52.358,7.213 U3.2 ; U3.10 52.4,12.455 v1(52.4,13.7) ; J1.1 53.3,24.4 53.5,24.6 v1(53.5,27)
  Bottom Layer w0.2: v1(48.5,30.5) 50,30.5 v1(53.5,27) 53.5,13.7 ; v1(50.9,7.2) 50.9,9.3 53.5,11.9 53.5,13.7 ; v1(52.4,13.7) 53.5,13.7
+3.3: C1.2 C6.1 C9.1 C10.1 C11.1 C12.1 C13.1 C14.1 C15.1 C16.1 D1.A J2.1 JDY-16.1 R5.2 R6.2 U1.5 U3.19 U4.1 U4.9 U4.24 U4.36 U4.48 | length 186
  Top Layer w0.2: JDY-16.1@8,1.5 v1(8,3.5) ; C13.1@29.7,20.395 31.078,20.395 C14.1 32.455,20.415 32.59,20.55 U4.1 34.66,20.59 35.3,20.59 35.41,20.7 36.1,20.7 ; C6.1@29.991,15.676 30.032,15.717 30.429,15.717 30.436,15.71 31.368,15.71 31.375,15.703 32.09,15.703 ; R5.2 30,6.55 32.09,8.64 32.09,15.8 32.84,16.55 U4.9 34.63,16.54 v1(35.96,16.54) ; C16.1@31.275,15.513 C16.1@31.475,15.513 ; C15.1@34.2,24.9 34.2,23.2 35.42,21.98 U4.48 36.09,21.94 36.09,20.71 36.1,20.7 ; v1(36.5,20) 36.426,20.074 36.426,20.374 36.1,20.7 ; v1(37.801,2.901) 37.801,3.503 37.9,3.601 37.9,5.2 J2.1 ; v1(40.5,20) 41.025,20.525 42.955,20.525 U4.36 44.75,20.55 45.7,21.5 C10.1 46.395,18.6 46.495,18.5 R6.2 ; v1(41,12) 41.108,12 41.407,12.299 41.409,12.299 41.55,12.44 U4.24 ; v1(41,29) 41.94,29.94 U1.5 ; v1@41.054,11.946 41.4,11.6 42.085,11.6 C12.1@42.119,11.567 ; C12.1 42.185,10.119 C11.1 ; U3.19 46.643,7.213 47.888,7.213 v1(47.9,7.2) ; v1(51.5,31.5) 51.5,31.557 51.76,31.817 D1.A
  Bottom Layer w0.2: v1(8,3.5) 13.5,3.5 28.8,18.8 36.9,18.8 38.123,17.577 ; v1(36.5,20) 37,20.5 38.251,20.5 40.815,17.936 41.436,17.936 ; v1(37.801,2.901) 38.579,2.123 41.073,2.123 41.75,2.8 43.5,2.8 v1(47.9,7.2) 48.4,7.2 49,7.8 ; v1(41,12) 41,14.122 40.382,14.74 35.66,14.74 35.3,15.1 35.3,16.2 35.576,16.476 35.896,16.476 v1(35.96,16.54) 36,16.5 37.046,16.5 38.123,17.577 ; v1(51.5,31.5) 43.5,31.5 v1(41,29) ; v2(55.3,4.8) 52,4.8 49,7.8 ; 38.123,17.577 39.016,16.684 40.184,16.684 41.436,17.936 ; v1(41,29) 43.666,29 50.7,21.966 50.7,12.208 49.6,11.108 49.6,8.4 49,7.8 ; v1(41,29) 41,20.5 v1(40.5,20) 41.5,19 41.5,18 41.436,17.936
\: U3.14 U4.32 | length 10.5
  Top Layer w0.2: U4.32 43.02,18.51 43.823,18.51 44.4,17.933 44.4,11.971 45.791,10.58 46.525,10.58 U3.14
"CLK 1.8": J1.4 U3.4 | length 16.9
  Top Layer w0.2: U3.4 52.265,8.63 51.531,8.63 49,11.161 49,18.229 52.142,21.371 53.071,21.371 J1.4
"CLK 3.3": U3.17 U4.15 | length 29.7
  Top Layer w0.2: U4.15 37.05,12.499 37.2,12.349 37.2,12.308 37.5,12.008 v1(37.5,11.9) ; U3.17 46.735,8.42 47.672,8.42 47.892,8.2 v1(48,8.2)
  Bottom Layer w0.2: v1(37.5,11.9) 37.5,12.7 37,13.2 36,13.2 35.4,12.6 35.4,6.151 39.028,2.523 40.908,2.523 41.584,3.2 43,3.2 v1(48,8.2)
"CS 1.8": J1.5 U3.5 | length 15
  Top Layer w0.2: U3.5 52.265,9.28 51.506,9.28 49.4,11.386 49.4,17.7 52.1,20.4 J1.5
"CS 3.3": U3.16 U4.14 | length 24.4
  Top Layer w0.2: U4.14 36.59,13.58 36.59,12.71 36.6,12.7 v1(36.6,12.1) ; U3.16 46.728,9.077 47.923,9.077 v1(48,9)
  Bottom Layer w0.2: v1(36.6,12.1) 36.6,5.517 39.017,3.1 40.504,3.1 41.004,3.6 42.551,3.6 47.951,9 v1(48,9)
"DIOD -": R12.1 | length 3.6
  Top Layer w0.2: R12.1 52.968,4 55.068,1.9 v2(55.3,1.9)
"FCLK 1.8": J1.6 U3.6 | length 13
  Top Layer w0.2: U3.6 52.265,9.93 51.421,9.93 49.8,11.551 49.8,17 52.142,19.342 53.042,19.342 J1.6
"FCLK 3.3": U3.15 U4.11 | length 40.9
  Top Layer w0.2: U4.11 34.638,15.532 35.709,15.532 35.896,15.344 v1(36.004,15.344) ; U3.15 46.643,9.813 47.988,9.813 v1(48,9.8)
  Bottom Layer w0.2: v1(36.004,15.344) 36.009,15.34 40.936,15.34 42.282,16.686 42.282,26.282 43.1,27.1 45,27.1 47.4,24.7 47.4,15.5 48,14.9 v1(48,9.8)
GND: C1.1 C2.1 C3.1 C4.1 C5.1 C6.2 C7.2 C9.2 C10.2 C11.2 C12.2 C13.2 C14.2 C15.2 C16.2 J1.9 J1.10 J2.4 JDY-16.24 M1.2 M1.6 Q1.2 R1.2 R3.2 R4.1 R9.1 R10.1 SW1.1 U1.2 U2.2 U3.11 U4.8 U4.23 U4.35 U4.47
  other v1: 51.7,15.5
  other v2: 55.3,31.5 55.3,35
"INT1 1.8": J1.7 U3.7 | length 10.9
  Top Layer w0.2: U3.7 52.265,10.58 51.531,10.58 50.4,11.711 50.4,16.718 52.082,18.4 J1.7
"INT2 1.8": J1.8 U3.8 | length 9.1
  Top Layer w0.2: U3.8 52.265,11.23 51.531,11.23 50.9,11.861 50.9,16.652 51.648,17.4 J1.8
"INT2 3.3": U3.13 U4.33 | length 10.4
  Top Layer w0.2: U4.33 43.02,19.01 43.889,19.01 44.84,18.059 44.84,12.181 45.791,11.23 46.525,11.23 U3.13
"MISO 1.8": J1.2 U3.1 | length 19
  Top Layer w0.2: U3.1 52.475,6.68 53.209,6.68 54.3,7.771 54.3,15.101 54.5,15.301 54.5,22.499 53.999,23 53.975,23 53.575,23.4 J1.2
"MISO 3.3": U3.20 U4.16 | length 12.5
  Top Layer w0.2: U4.16 37.59,13.58 37.59,12.711 38.161,12.14 38.227,12.14 43.792,6.575 U3.20
"MOSI 1.8": J1.3 U3.3 | length 18.9
  Top Layer w0.2: U3.3 52.265,7.98 51.531,7.98 48.6,10.911 48.6,18.808 52.142,22.35 53.05,22.35 J1.3
"MOSI 3.3": U3.18 U4.17 | length 11.4
  Top Layer w0.2: U4.17 38.09,13.58 38.09,12.777 38.327,12.54 38.392,12.54 43.057,7.875 U3.18
NetC2_2: C2.2 C4.2 M1.3 U1.1 U1.3 U2.1 U2.3 | length 30.2
  Top Layer w0.2: U1.3 40.06,33.53 40.375,33.845 40.375,33.932 40.843,34.4 41.94,34.4 ; U1.1 41.94,34.4 ; U2.3 44.56,34.4 ; U2.1 46.44,33.53 46.125,33.845 46.125,33.932 45.657,34.4 44.56,34.4 ; 41.94,34.4 41.94,34.61 41.5,35.05 C4.2 41.55,35.15 43.25,35.15 v1(43.3,35.2) 43.35,35.15 44.95,35.15 C2.2 45,35.05 44.56,34.61 44.56,34.4
  Bottom Layer w0.2: M1.3 42.892,34.9 43.192,35.2 v1(43.3,35.2)
NetC8_1: C8.1 C17.1 | length 1.5
  Top Layer w0.2: C17.1 29.8,17.75 30.7,18.65 30.7,18.7 C8.1
NetD1_C: D1.C R3.1 | length 1.6
  Top Layer w0.2: D1.C 50.24,34.79 50.5,35.05 R3.1
NetM1_4: M1.4 P1.1 R2.1 | length 96.2
  Top Layer w0.2: M1.4 33.94,32.36 35.3,31 35.3,30.059 35.75,29.609 36.033,29.609 37,28.641 v1(37,27.5) ; v1(34.195,9.5) 34.245,9.55 34.245,10.55 R2.1
  Bottom Layer w0.2: v1(34.195,9.5) 30.551,5.856 30.551,5.351 26.983,1.783 7.717,1.783 3.8,5.7 3.8,10.249 21.551,28 36.5,28 v1(37,27.5)
NetM1_5: M1.5 P1.2 | length 9.7
  Top Layer w0.2: M1.5 31.61,29.05 P1.2
NetQ1_3: Q1.3 R12.2 | length 2.7
  Top Layer w0.2: Q1.3 50.875,2.5 51.075,2.3 51.075,2.225 52.3,1 R12.2
NetR4_2: R4.2 U4.44 | length 2.4
  Top Layer w0.2: U4.44 38.09,22.02 38.09,22.757 38.11,22.777 38.11,22.843 38.3,23.033 R4.2
NetR6_1: R6.1 R7.1 U4.34 | length 5.4
  Top Layer w0.2: U4.34 44.4,19.55 46.45,17.5 R6.1 R7.1
NetR8_1: R8.1 R9.2 U4.37 | length 5
  Top Layer w0.2: U4.37 41.98,21.98 43.6,23.6 R8.1 45.078,24.395 R9.2
OSCIN: C8.2 R11.2 U4.5 Y1.2 | length 15.9
  Top Layer w0.2: Y1.2 24.45,13.582 24.9,14.032 R11.2 24.9,14.676 25.29,15.066 25.7,15.066 29.417,18.783 29.783,18.783 C8.2 29.8,18.85 30.3,19.35 31.723,19.35 32.523,18.55 U4.5
OSCOUT: C17.2 R11.1 U4.6 Y1.1 | length 12.2
  Top Layer w0.2: Y1.1 28.55,13.45 27.9,14.1 R11.1 27.9,14.9 30.55,17.55 30.7,17.55 30.8,17.65 C17.2 32.265,17.7 32.615,18.05 U4.6
PA0: R1.1 R2.2 U4.10 | length 6.5
  Top Layer w0.2: R2.2 33.295,11.978 R1.1 33.315,15.548 33.777,16.01 34.58,16.01 U4.10
PA3: U4.13
PA8: U4.29
PA15: U4.38
PB0: U4.18
PB1: U4.19
PB2: U4.20
PB3: U4.39
PB4: U4.40
PB5: U4.41
PB6: U4.42
PB7: U4.43
PB8: U4.45
PB9: U4.46
PB10: U4.21
PB11: U4.22
PB12: U4.25
PB13: U4.26
PB14: U4.27
PB15: U4.28
PWM: Q1.1 R10.2 U4.12 | length 26.8
  Top Layer w0.2: U4.12 34.66,15.05 34.7,15.01 v1(34.7,14) ; v1(44.5,2) 45.525,3.025 45.525,3.61 45.915,4 46.368,4 47.168,3.2 47.875,3.2 48.125,3.45 Q1.1
  Bottom Layer w0.2: v1(34.7,14) 34.7,9.844 34.795,9.749 34.795,5.059 38.131,1.723 41.239,1.723 41.516,2 v1(44.5,2)
RESET: C7.1 R5.1 SW1.2 U4.7 | length 24.9
  Top Layer w0.2: SW1.2 24,5.95 24.5,6.45 C7.1 R5.1 v1(29,7.5) ; U4.7 34.66,17.51 35.39,17.51 35.4,17.5 v1(36,17.5)
  Bottom Layer w0.2: v1(29,7.5) 29,11.766 34.734,17.5 v1(36,17.5)
RX: JDY-16.19 U4.31 | length 31.3
  Top Layer w0.2: JDY-16.19@15.5,17.7 v1(15.5,19.6) ; v1(40.9,18.7) 41.55,18.05 U4.31
  Bottom Layer w0.2: v1(15.5,19.6) 27.124,19.6 28.624,21.1 38.5,21.1 v1(40.9,18.7)
SWDCLK: J2.3 R8.2 | length 26.4
  Top Layer w0.2: v1(40,4.1) J2.3 ; R8.2 v1(43.6,26.5)
  Bottom Layer w0.2: v1(40,4.1) 40,9.751 42,11.751 42,14.651 43.8,16.451 43.8,21.322 43.6,21.522 v1(43.6,26.5)
SWDIO: J2.2 R7.2 | length 17.4
  Top Layer w0.2: J2.2 39,4.074 39.183,3.891 v1(39.183,3.783) ; v1(46.5,14.5) R7.2
  Bottom Layer w0.2: v1(39.183,3.783) 39.291,3.783 39.574,3.5 40.249,3.5 46.5,9.751 v1(46.5,14.5)
TX: JDY-16.20 U4.30 | length 32.1
  Top Layer w0.2: JDY-16.20@14,17.7 v1(14,19.6) ; v1(40.242,17.591) 40.283,17.55 U4.30
  Bottom Layer w0.2: v1(14,19.6) 14.025,19.6 14.625,19 27.006,19 27.206,19.2 38.984,19.2 39.728,18.456 39.728,18.105 v1(40.242,17.591)
VCC: M1.1
pads on no net: J1.S1 J1.S2 J2.Z1 J2.Z2 JDY-16.2 JDY-16.3 JDY-16.4 JDY-16.5 JDY-16.6 JDY-16.7 JDY-16.8 JDY-16.9 JDY-16.10 JDY-16.11 JDY-16.12 JDY-16.13 JDY-16.14 JDY-16.15 JDY-16.16 JDY-16.17 JDY-16.18 JDY-16.21 JDY-16.22 JDY-16.23 P1.P1 P1.P2 U1.4 U2.4 U3.9 U3.12 U4.2 U4.3 U4.4

## Polygon pours and split planes (outlines as drawn)
GND on Bottom Layer "GND_L02_P001" (solid, remove dead copper, pour order 1): 0,0 0,37 57,37 57,0
GND on Top Layer "GND_L01_P003" (solid, pour order 3): 0,0 0,37 57,37 57,0

## Silkscreen, mask and mechanical layers (free items; w line width, h text height)
Top Overlay:
  the board outline again, w0.254

## Text inside footprints (layer, text, board x,y; h text height)
J2: Top Overlay "1" at 37.7,3.4 h0.3; Mechanical 13 "1" at 37.7,3.4 h0.3
M1: Top Overlay "TP4056" at 13.3,27.6 h0.3